# KiCad board Batch 1.kicad_pcb (continued)
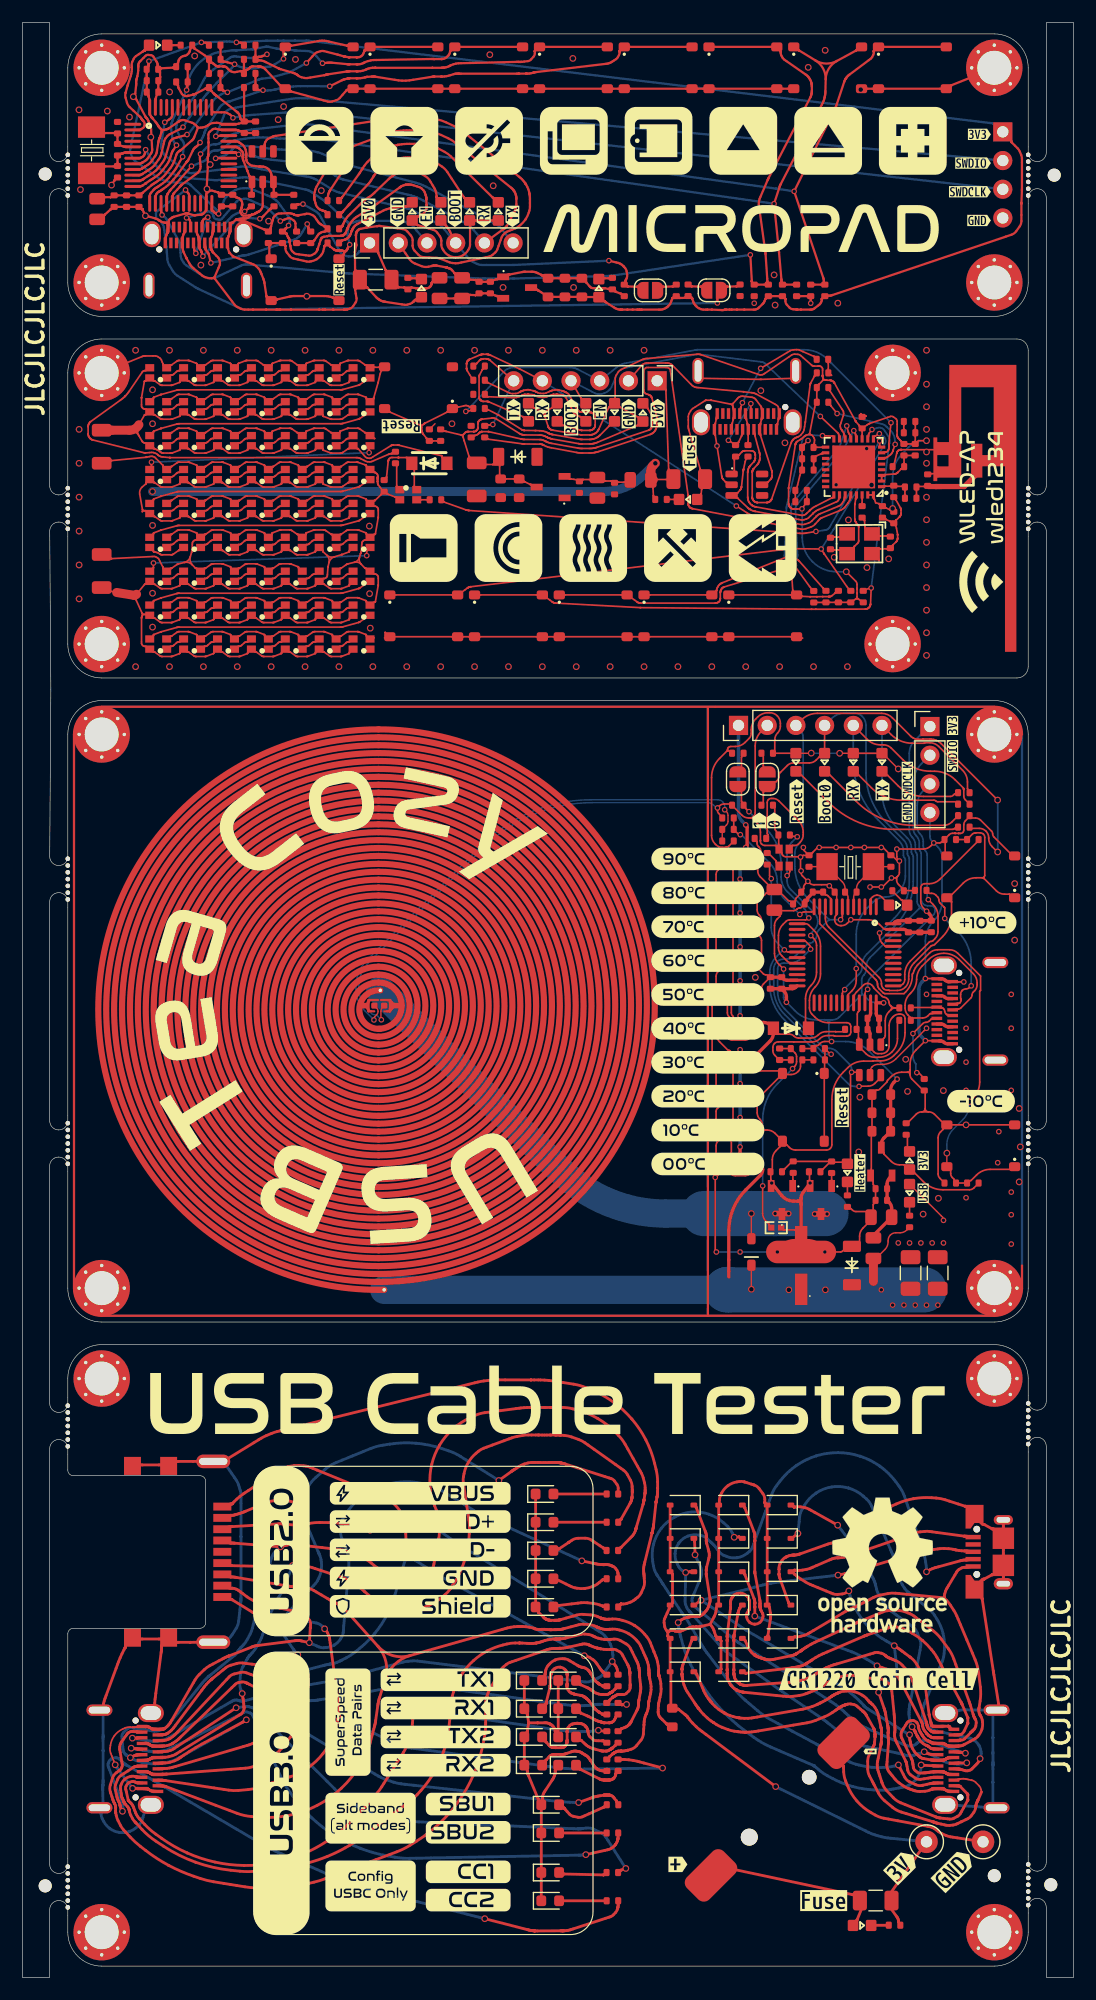
[diagram p0: board, top side]
## Routing (per net, layer and track width the routed paths; a pad name or vN(x,y) marks a point on that pad's centre or on a via; arc(x,y) is an arc through that point) (continued)
+5V: length 437
  Top w0.127: v1(64.5,60.9) D2.1
  Top w0.13: R80.1 78.25,66.15 arc(77.98,65.96) 77.66,65.9 77.28,65.9 arc(77.02,65.85) 76.8,65.7 arc(76.65,65.48) 76.6,65.22 76.6,65.1 arc(76.53,64.73) 76.32,64.42 75.61,63.71 arc(75.52,63.65) 75.41,63.63 arc(75.33,63.59) 75.3,63.51
  Top w0.15: 26.41,123.43 26.55,123.32 arc(26.58,123.31) 26.61,123.3 26.66,123.3 arc(26.66,123.3) 26.67,123.3 26.68,123.29 arc(26.68,123.29) 26.69,123.29 arc(26.69,123.29) 26.7,123.28 27.18,122.94 arc(27.21,122.93) 27.23,122.92 27.28,122.91 arc(27.3,122.9) 27.33,122.9 28.16,122.9 arc(28.18,122.9) 28.19,122.9 28.22,122.91 arc(28.24,122.91) 28.25,122.92 28.87,123.15 28.89,123.16 arc(28.9,123.16) 28.91,123.17 28.92,123.19 arc(28.92,123.2) 28.92,123.21 28.92,123.26 arc(28.93,123.3) 28.95,123.32 RGB43.2 ; 26.41,123.43 arc(26.25,123.48) 26.09,123.43 ; 26.41,123.43 arc(26.35,123.55) 26.41,123.68 ; 11.41,138.43 11.55,138.32 arc(11.58,138.31) 11.61,138.3 11.66,138.3 arc(11.66,138.3) 11.67,138.3 11.68,138.29 arc(11.68,138.29) 11.69,138.29 arc(11.69,138.29) 11.7,138.28 12.18,137.94 arc(12.21,137.93) 12.23,137.92 12.28,137.91 arc(12.3,137.9) 12.33,137.9 13.16,137.9 arc(13.18,137.9) 13.19,137.9 13.22,137.91 arc(13.24,137.91) 13.25,137.92 13.87,138.15 13.89,138.16 arc(13.9,138.16) 13.91,138.17 13.92,138.19 arc(13.92,138.2) 13.92,138.21 13.92,138.26 arc(13.93,138.3) 13.95,138.32 14.09,138.43 arc(14.25,138.48) 14.41,138.43 14.55,138.32 arc(14.58,138.31) 14.61,138.3 14.66,138.3 arc(14.66,138.3) 14.67,138.3 14.68,138.29 arc(14.68,138.29) 14.69,138.29 arc(14.69,138.29) 14.7,138.28 15.18,137.94 arc(15.21,137.93) 15.23,137.92 15.28,137.91 arc(15.3,137.9) 15.33,137.9 16.16,137.9 arc(16.18,137.9) 16.19,137.9 16.22,137.91 arc(16.24,137.91) 16.25,137.92 16.87,138.15 16.89,138.16 arc(16.9,138.16) 16.91,138.17 16.92,138.19 arc(16.92,138.2) 16.92,138.21 16.92,138.26 arc(16.93,138.3) 16.95,138.32 17.09,138.43 arc(17.25,138.48) 17.41,138.43 17.55,138.32 arc(17.58,138.31) 17.61,138.3 17.66,138.3 arc(17.66,138.3) 17.67,138.3 17.68,138.29 arc(17.68,138.29) 17.69,138.29 arc(17.69,138.29) 17.7,138.28 18.18,137.94 arc(18.21,137.93) 18.23,137.92 18.28,137.91 arc(18.3,137.9) 18.33,137.9 19.16,137.9 arc(19.18,137.9) 19.19,137.9 19.22,137.91 arc(19.24,137.91) 19.25,137.92 19.87,138.15 19.89,138.16 arc(19.9,138.16) 19.91,138.17 19.92,138.19 arc(19.92,138.2) 19.92,138.21 19.92,138.26 arc(19.93,138.3) 19.95,138.32 20.09,138.43 arc(20.25,138.48) 20.41,138.43 20.55,138.32 arc(20.58,138.31) 20.61,138.3 20.66,138.3 arc(20.66,138.3) 20.67,138.3 20.68,138.29 arc(20.68,138.29) 20.69,138.29 arc(20.69,138.29) 20.7,138.28 21.18,137.94 arc(21.21,137.93) 21.23,137.92 21.28,137.91 arc(21.3,137.9) 21.33,137.9 22.16,137.9 arc(22.18,137.9) 22.19,137.9 22.22,137.91 arc(22.24,137.91) 22.25,137.92 22.87,138.15 22.89,138.16 arc(22.9,138.16) 22.91,138.17 22.92,138.19 arc(22.92,138.2) 22.92,138.21 22.92,138.26 arc(22.93,138.3) 22.95,138.32 23.09,138.43 arc(23.25,138.48) 23.41,138.43 23.55,138.32 arc(23.58,138.31) 23.61,138.3 23.66,138.3 arc(23.66,138.3) 23.67,138.3 23.68,138.29 arc(23.68,138.29) 23.69,138.29 arc(23.69,138.29) 23.7,138.28 24.18,137.94 arc(24.21,137.93) 24.23,137.92 24.28,137.91 arc(24.3,137.9) 24.33,137.9 25.16,137.9 arc(25.18,137.9) 25.19,137.9 25.22,137.91 arc(25.24,137.91) 25.25,137.92 25.87,138.15 25.89,138.16 arc(25.9,138.16) 25.91,138.17 25.92,138.19 arc(25.92,138.2) 25.92,138.21 25.92,138.26 arc(25.93,138.3) 25.95,138.32 26.09,138.43 arc(26.25,138.48) 26.41,138.43 26.55,138.32 arc(26.57,138.3) 26.57,138.26 26.57,138.21 arc(26.58,138.2) 26.58,138.19 26.59,138.17 arc(26.6,138.16) 26.61,138.16 arc(26.62,138.15) 26.63,138.15 27.25,137.92 arc(27.26,137.91) 27.28,137.91 27.31,137.9 arc(27.32,137.9) 27.34,137.9 28.17,137.9 arc(28.2,137.9) 28.22,137.91 28.27,137.92 arc(28.29,137.93) 28.32,137.94 28.36,137.97 28.8,138.28 arc(28.81,138.29) 28.81,138.29 arc(28.82,138.29) 28.82,138.29 28.83,138.3 arc(28.84,138.3) 28.84,138.3 28.89,138.3 arc(28.92,138.31) 28.95,138.32 RGB42.2 ; 11.41,138.43 11.09,138.68 ; 11.41,138.43 arc(11.25,138.48) 11.09,138.43 ; 10.95,126.78 11.55,126.32 arc(11.57,126.3) 11.57,126.26 11.57,126.21 arc(11.58,126.2) 11.58,126.19 11.6,126.16 arc(11.61,126.16) 11.63,126.15 11.77,126.13 arc(11.83,126.12) 11.88,126.1 12,126.06 arc(12.05,126.03) 12.1,126 12.16,125.96 arc(12.16,125.96) 12.16,125.96 12.18,125.95 arc(12.2,125.93) 12.23,125.92 12.27,125.91 arc(12.3,125.9) 12.32,125.9 13.18,125.9 arc(13.2,125.9) 13.22,125.91 13.27,125.92 arc(13.29,125.93) 13.32,125.94 13.36,125.97 13.8,126.28 arc(13.81,126.29) 13.81,126.29 arc(13.82,126.29) 13.82,126.29 13.83,126.3 arc(13.84,126.3) 13.84,126.3 13.89,126.3 arc(13.92,126.31) 13.95,126.32 RGB4.2 ; 55.67,132.32 55.78,131.94 arc(55.79,131.9) 55.79,131.87 arc(55.79,131.83) 55.79,131.79 55.83,131.12 arc(55.83,131.12) 55.83,131.12 arc(55.83,131.12) 55.83,131.12 arc(55.83,131.12) 55.83,131.11 R42.1 ; 55.67,132.32 arc(55.62,132.53) 55.6,132.75 ; 55.67,132.32 arc(55.69,132.47) 55.82,132.55 56,132.56 arc(56.04,132.56) 56.08,132.57 57.01,132.57 arc(57.05,132.57) 57.09,132.57 57.32,132.58 arc(57.47,132.67) 57.48,132.85 57.18,133.47 arc(57.18,133.47) 57.18,133.47 arc(57.18,133.47) 57.18,133.47 57.18,133.47 arc(57.18,133.47) 57.18,133.48 56.94,140.45 arc(56.94,140.45) 56.94,140.45 56.94,140.49 arc(56.93,140.52) 56.91,140.55 J5.1 ; 11.09,138.43 10.95,138.32 arc(10.92,138.31) 10.89,138.3 10.84,138.3 arc(10.83,138.3) 10.82,138.29 10.8,138.28 arc(10.8,138.28) 10.79,138.27 arc(10.78,138.26) 10.78,138.25 10.29,137.41 arc(10.16,136.93) 10.29,136.44 ; 11.09,138.43 arc(11.15,138.55) 11.09,138.68 ; RGB61.2 28.95,117.32 arc(28.93,117.3) 28.92,117.26 28.92,117.21 arc(28.92,117.2) 28.92,117.19 28.91,117.17 arc(28.9,117.16) 28.89,117.16 28.87,117.15 28.25,116.92 arc(28.24,116.91) 28.22,116.91 28.19,116.9 arc(28.18,116.9) 28.16,116.9 27.33,116.9 arc(27.3,116.9) 27.28,116.91 27.23,116.92 arc(27.21,116.93) 27.18,116.94 26.7,117.28 arc(26.69,117.29) 26.69,117.29 arc(26.68,117.29) 26.68,117.29 26.67,117.3 arc(26.66,117.3) 26.66,117.3 26.61,117.3 arc(26.58,117.31) 26.55,117.32 26.41,117.43 arc(26.25,117.48) 26.09,117.43 25.95,117.32 arc(25.93,117.3) 25.92,117.26 25.92,117.21 arc(25.92,117.2) 25.92,117.19 25.91,117.17 arc(25.9,117.16) 25.89,117.16 25.87,117.15 25.25,116.92 arc(25.24,116.91) 25.22,116.91 25.19,116.9 arc(25.18,116.9) 25.16,116.9 24.33,116.9 arc(24.3,116.9) 24.28,116.91 24.23,116.92 arc(24.21,116.93) 24.18,116.94 23.7,117.28 arc(23.69,117.29) 23.69,117.29 arc(23.68,117.29) 23.68,117.29 23.67,117.3 arc(23.66,117.3) 23.66,117.3 23.61,117.3 arc(23.58,117.31) 23.55,117.32 23.41,117.43 arc(23.25,117.48) 23.09,117.43 22.95,117.32 arc(22.93,117.3) 22.92,117.26 22.92,117.21 arc(22.92,117.2) 22.92,117.19 22.91,117.17 arc(22.9,117.16) 22.89,117.16 22.87,117.15 22.25,116.92 arc(22.24,116.91) 22.22,116.91 22.19,116.9 arc(22.18,116.9) 22.16,116.9 21.33,116.9 arc(21.3,116.9) 21.28,116.91 21.23,116.92 arc(21.21,116.93) 21.18,116.94 20.7,117.28 arc(20.69,117.29) 20.69,117.29 arc(20.68,117.29) 20.68,117.29 20.67,117.3 arc(20.66,117.3) 20.66,117.3 20.61,117.3 arc(20.58,117.31) 20.55,117.32 20.41,117.43 arc(20.25,117.48) 20.09,117.43 19.95,117.32 arc(19.93,117.3) 19.92,117.26 19.92,117.21 arc(19.92,117.2) 19.92,117.19 19.91,117.17 arc(19.9,117.16) 19.89,117.16 19.87,117.15 19.25,116.92 arc(19.24,116.91) 19.22,116.91 19.19,116.9 arc(19.18,116.9) 19.16,116.9 18.33,116.9 arc(18.3,116.9) 18.28,116.91 18.23,116.92 arc(18.21,116.93) 18.18,116.94 17.7,117.28 arc(17.69,117.29) 17.69,117.29 arc(17.68,117.29) 17.68,117.29 17.67,117.3 arc(17.66,117.3) 17.66,117.3 17.61,117.3 arc(17.58,117.31) 17.55,117.32 17.41,117.43 arc(17.25,117.48) 17.09,117.43 16.95,117.32 arc(16.93,117.3) 16.92,117.26 16.92,117.21 arc(16.92,117.2) 16.92,117.19 16.91,117.17 arc(16.9,117.16) 16.89,117.16 16.87,117.15 16.25,116.92 arc(16.24,116.91) 16.22,116.91 16.19,116.9 arc(16.18,116.9) 16.16,116.9 15.33,116.9 arc(15.3,116.9) 15.28,116.91 15.23,116.92 arc(15.21,116.93) 15.18,116.94 14.7,117.28 arc(14.69,117.29) 14.69,117.29 arc(14.68,117.29) 14.68,117.29 14.67,117.3 arc(14.66,117.3) 14.66,117.3 14.61,117.3 arc(14.58,117.31) 14.55,117.32 14.41,117.43 arc(14.25,117.48) 14.09,117.43 13.95,117.32 arc(13.93,117.3) 13.92,117.26 13.92,117.21 arc(13.92,117.2) 13.92,117.19 13.91,117.17 arc(13.9,117.16) 13.89,117.16 13.87,117.15 13.25,116.92 arc(13.24,116.91) 13.22,116.91 13.19,116.9 arc(13.18,116.9) 13.16,116.9 12.33,116.9 arc(12.3,116.9) 12.28,116.91 12.23,116.92 arc(12.21,116.93) 12.18,116.94 11.7,117.28 arc(11.69,117.29) 11.69,117.29 arc(11.68,117.29) 11.68,117.29 11.67,117.3 arc(11.66,117.3) 11.66,117.3 11.61,117.3 arc(11.58,117.31) 11.55,117.32 10.95,117.78 arc(10.92,117.79) 10.89,117.8 10.78,117.8 arc(10.72,117.81) 10.67,117.85 10.57,117.94 arc(10.54,118) 10.52,118.06 10.52,120.31 arc(10.53,120.33) 10.53,120.34 10.53,120.37 arc(10.54,120.39) 10.54,120.4 10.59,120.52 ; 10.74,120.62 10.89,120.62 arc(10.92,120.62) 10.96,120.61 11.09,120.59 arc(11.24,120.53) 11.38,120.45 11.55,120.32 arc(11.58,120.31) 11.61,120.3 11.66,120.3 arc(11.66,120.3) 11.67,120.3 11.68,120.29 arc(11.68,120.29) 11.69,120.29 arc(11.69,120.29) 11.7,120.28 12.18,119.94 arc(12.21,119.93) 12.23,119.92 12.28,119.91 arc(12.3,119.9) 12.33,119.9 13.16,119.9 arc(13.18,119.9) 13.19,119.9 13.22,119.91 arc(13.24,119.91) 13.25,119.92 13.87,120.15 13.89,120.16 arc(13.9,120.16) 13.91,120.17 13.92,120.19 arc(13.92,120.2) 13.92,120.21 13.92,120.26 arc(13.93,120.3) 13.95,120.32 14.09,120.43 arc(14.25,120.48) 14.41,120.43 14.55,120.32 arc(14.58,120.31) 14.61,120.3 14.66,120.3 arc(14.66,120.3) 14.67,120.3 14.68,120.29 arc(14.68,120.29) 14.69,120.29 arc(14.69,120.29) 14.7,120.28 15.18,119.94 arc(15.21,119.93) 15.23,119.92 15.28,119.91 arc(15.3,119.9) 15.33,119.9 16.16,119.9 arc(16.18,119.9) 16.19,119.9 16.22,119.91 arc(16.24,119.91) 16.25,119.92 16.87,120.15 16.89,120.16 arc(16.9,120.16) 16.91,120.17 16.92,120.19 arc(16.92,120.2) 16.92,120.21 16.92,120.26 arc(16.93,120.3) 16.95,120.32 17.09,120.43 arc(17.25,120.48) 17.41,120.43 17.55,120.32 arc(17.58,120.31) 17.61,120.3 17.66,120.3 arc(17.66,120.3) 17.67,120.3 17.68,120.29 arc(17.68,120.29) 17.69,120.29 arc(17.69,120.29) 17.7,120.28 18.18,119.94 arc(18.21,119.93) 18.23,119.92 18.28,119.91 arc(18.3,119.9) 18.33,119.9 19.16,119.9 arc(19.18,119.9) 19.19,119.9 19.22,119.91 arc(19.24,119.91) 19.25,119.92 19.87,120.15 19.89,120.16 arc(19.9,120.16) 19.91,120.17 19.92,120.19 arc(19.92,120.2) 19.92,120.21 19.92,120.26 arc(19.93,120.3) 19.95,120.32 20.09,120.43 arc(20.25,120.48) 20.41,120.43 20.55,120.32 arc(20.58,120.31) 20.61,120.3 20.66,120.3 arc(20.66,120.3) 20.67,120.3 20.68,120.29 arc(20.68,120.29) 20.69,120.29 arc(20.69,120.29) 20.7,120.28 21.18,119.94 arc(21.21,119.93) 21.23,119.92 21.28,119.91 arc(21.3,119.9) 21.33,119.9 22.16,119.9 arc(22.18,119.9) 22.19,119.9 22.22,119.91 arc(22.24,119.91) 22.25,119.92 22.87,120.15 22.89,120.16 arc(22.9,120.16) 22.91,120.17 22.92,120.19 arc(22.92,120.2) 22.92,120.21 22.92,120.26 arc(22.93,120.3) 22.95,120.32 23.09,120.43 arc(23.25,120.48) 23.41,120.43 23.55,120.32 arc(23.58,120.31) 23.61,120.3 23.66,120.3 arc(23.66,120.3) 23.67,120.3 23.68,120.29 arc(23.68,120.29) 23.69,120.29 arc(23.69,120.29) 23.7,120.28 24.18,119.94 arc(24.21,119.93) 24.23,119.92 24.28,119.91 arc(24.3,119.9) 24.33,119.9 25.16,119.9 arc(25.18,119.9) 25.19,119.9 25.22,119.91 arc(25.24,119.91) 25.25,119.92 25.87,120.15 25.89,120.16 arc(25.9,120.16) 25.91,120.17 25.92,120.19 arc(25.92,120.2) 25.92,120.21 25.92,120.26 arc(25.93,120.3) 25.95,120.32 26.09,120.43 arc(26.25,120.48) 26.41,120.43 26.55,120.32 arc(26.58,120.31) 26.61,120.3 26.66,120.3 arc(26.66,120.3) 26.67,120.3 26.68,120.29 arc(26.68,120.29) 26.69,120.29 arc(26.69,120.29) 26.7,120.28 27.18,119.94 arc(27.21,119.93) 27.23,119.92 27.28,119.91 arc(27.3,119.9) 27.33,119.9 28.16,119.9 arc(28.18,119.9) 28.19,119.9 28.22,119.91 arc(28.24,119.91) 28.25,119.92 28.87,120.15 28.89,120.16 arc(28.9,120.16) 28.91,120.17 28.92,120.19 arc(28.92,120.2) 28.92,120.21 28.92,120.26 arc(28.93,120.3) 28.95,120.32 RGB62.2 ; 10.74,120.62 arc(10.64,120.65) 10.58,120.72 ; 10.74,120.62 arc(10.64,120.59) 10.59,120.52 ; RGB50.2 28.95,126.32 arc(28.93,126.3) 28.92,126.26 28.92,126.21 arc(28.92,126.2) 28.92,126.19 28.91,126.17 arc(28.9,126.16) 28.89,126.16 28.87,126.15 28.27,125.92 arc(28.27,125.92) 28.26,125.92 arc(28.26,125.92) 28.26,125.92 28.25,125.92 arc(28.25,125.92) 28.25,125.91 arc(28.24,125.91) 28.24,125.91 27.58,125.71 ; 26.09,123.43 26.41,123.68 ; 26.09,123.43 25.95,123.32 arc(25.93,123.3) 25.92,123.26 25.92,123.21 arc(25.92,123.2) 25.92,123.19 25.91,123.17 arc(25.9,123.16) 25.89,123.16 25.87,123.15 25.25,122.92 arc(25.24,122.91) 25.22,122.91 25.19,122.9 arc(25.18,122.9) 25.16,122.9 24.33,122.9 arc(24.3,122.9) 24.28,122.91 24.23,122.92 arc(24.21,122.93) 24.18,122.94 23.7,123.28 arc(23.69,123.29) 23.69,123.29 arc(23.68,123.29) 23.68,123.29 23.67,123.3 arc(23.66,123.3) 23.66,123.3 23.61,123.3 arc(23.58,123.31) 23.55,123.32 23.41,123.43 arc(23.25,123.48) 23.09,123.43 22.95,123.32 arc(22.93,123.3) 22.92,123.26 22.92,123.21 arc(22.92,123.2) 22.92,123.19 22.91,123.17 arc(22.9,123.16) 22.89,123.16 22.87,123.15 22.25,122.92 arc(22.24,122.91) 22.22,122.91 22.19,122.9 arc(22.18,122.9) 22.16,122.9 21.33,122.9 arc(21.3,122.9) 21.28,122.91 21.23,122.92 arc(21.21,122.93) 21.18,122.94 20.7,123.28 arc(20.69,123.29) 20.69,123.29 arc(20.68,123.29) 20.68,123.29 20.67,123.3 arc(20.66,123.3) 20.66,123.3 20.61,123.3 arc(20.58,123.31) 20.55,123.32 20.41,123.43 arc(20.25,123.48) 20.09,123.43 19.95,123.32 arc(19.93,123.3) 19.92,123.26 19.92,123.21 arc(19.92,123.2) 19.92,123.19 19.91,123.17 arc(19.9,123.16) 19.89,123.16 19.87,123.15 19.25,122.92 arc(19.24,122.91) 19.22,122.91 19.19,122.9 arc(19.18,122.9) 19.16,122.9 18.33,122.9 arc(18.3,122.9) 18.28,122.91 18.23,122.92 arc(18.21,122.93) 18.18,122.94 17.7,123.28 arc(17.69,123.29) 17.69,123.29 arc(17.68,123.29) 17.68,123.29 17.67,123.3 arc(17.66,123.3) 17.66,123.3 17.61,123.3 arc(17.58,123.31) 17.55,123.32 17.41,123.43 arc(17.25,123.48) 17.09,123.43 16.95,123.32 arc(16.93,123.3) 16.92,123.26 16.92,123.21 arc(16.92,123.2) 16.92,123.19 16.91,123.17 arc(16.9,123.16) 16.89,123.16 16.87,123.15 16.25,122.92 arc(16.24,122.91) 16.22,122.91 16.19,122.9 arc(16.18,122.9) 16.16,122.9 15.33,122.9 arc(15.3,122.9) 15.28,122.91 15.23,122.92 arc(15.21,122.93) 15.18,122.94 14.7,123.28 arc(14.69,123.29) 14.69,123.29 arc(14.68,123.29) 14.68,123.29 14.67,123.3 arc(14.66,123.3) 14.66,123.3 14.61,123.3 arc(14.58,123.31) 14.55,123.32 14.41,123.43 arc(14.25,123.48) 14.09,123.43 13.95,123.32 arc(13.93,123.3) 13.92,123.26 13.92,123.21 arc(13.92,123.2) 13.92,123.19 13.91,123.17 arc(13.9,123.16) 13.89,123.16 13.87,123.15 13.25,122.92 arc(13.24,122.91) 13.22,122.91 13.19,122.9 arc(13.18,122.9) 13.16,122.9 12.33,122.9 arc(12.3,122.9) 12.28,122.91 12.23,122.92 arc(12.21,122.93) 12.18,122.94 11.7,123.28 arc(11.69,123.29) 11.69,123.29 arc(11.68,123.29) 11.68,123.29 11.67,123.3 arc(11.66,123.3) 11.66,123.3 11.61,123.3 arc(11.58,123.31) 11.55,123.32 11.41,123.43 arc(11.25,123.48) 11.09,123.43 10.95,123.32 arc(10.92,123.31) 10.89,123.3 10.84,123.3 arc(10.83,123.3) 10.83,123.3 10.81,123.29 arc(10.8,123.28) 10.8,123.28 arc(10.79,123.27) 10.79,123.27 10.09,122.41 arc(10.02,122.29) 10,122.15 ; 26.41,123.68 26.55,123.78 arc(26.58,123.79) 26.61,123.8 26.71,123.8 arc(26.77,123.81) 26.82,123.84 26.92,123.93 arc(26.95,123.98) 26.97,124.04 27.03,124.79 arc(27.03,124.8) 27.03,124.81 arc(27.03,124.81) 27.03,124.82 27.03,124.83 arc(27.03,124.84) 27.03,124.84 arc(27.03,124.85) 27.03,124.85 27.12,125.22 ; RGB37.2 28.95,132.32 arc(28.92,132.31) 28.89,132.3 28.84,132.3 arc(28.84,132.3) 28.83,132.3 28.82,132.29 arc(28.82,132.29) 28.81,132.29 arc(28.81,132.29) 28.8,132.28 28.36,131.97 28.32,131.94 arc(28.29,131.93) 28.27,131.92 28.22,131.91 arc(28.2,131.9) 28.17,131.9 27.34,131.9 arc(27.32,131.9) 27.31,131.9 27.28,131.91 arc(27.26,131.91) 27.25,131.92 26.63,132.15 arc(26.62,132.15) 26.61,132.16 arc(26.6,132.16) 26.59,132.17 26.58,132.19 arc(26.58,132.2) 26.57,132.21 26.57,132.26 arc(26.57,132.3) 26.55,132.32 26.41,132.43 arc(26.25,132.48) 26.09,132.43 25.95,132.32 arc(25.93,132.3) 25.92,132.26 25.92,132.21 arc(25.92,132.2) 25.92,132.19 25.91,132.17 arc(25.9,132.16) 25.89,132.16 25.87,132.15 25.25,131.92 arc(25.24,131.91) 25.22,131.91 25.19,131.9 arc(25.18,131.9) 25.16,131.9 24.33,131.9 arc(24.3,131.9) 24.28,131.91 24.23,131.92 arc(24.21,131.93) 24.18,131.94 23.7,132.28 arc(23.69,132.29) 23.69,132.29 arc(23.68,132.29) 23.68,132.29 23.67,132.3 arc(23.66,132.3) 23.66,132.3 23.61,132.3 arc(23.58,132.31) 23.55,132.32 23.41,132.43 arc(23.25,132.48) 23.09,132.43 22.95,132.32 arc(22.93,132.3) 22.92,132.26 22.92,132.21 arc(22.92,132.2) 22.92,132.19 22.91,132.17 arc(22.9,132.16) 22.89,132.16 22.87,132.15 22.25,131.92 arc(22.24,131.91) 22.22,131.91 22.19,131.9 arc(22.18,131.9) 22.16,131.9 21.33,131.9 arc(21.3,131.9) 21.28,131.91 21.23,131.92 arc(21.21,131.93) 21.18,131.94 20.7,132.28 arc(20.69,132.29) 20.69,132.29 arc(20.68,132.29) 20.68,132.29 20.67,132.3 arc(20.66,132.3) 20.66,132.3 20.61,132.3 arc(20.58,132.31) 20.55,132.32 20.41,132.43 arc(20.25,132.48) 20.09,132.43 19.95,132.32 arc(19.93,132.3) 19.92,132.26 19.92,132.21 arc(19.92,132.2) 19.92,132.19 19.91,132.17 arc(19.9,132.16) 19.89,132.16 19.87,132.15 19.25,131.92 arc(19.24,131.91) 19.22,131.91 19.19,131.9 arc(19.18,131.9) 19.16,131.9 18.33,131.9 arc(18.3,131.9) 18.28,131.91 18.23,131.92 arc(18.21,131.93) 18.18,131.94 17.7,132.28 arc(17.69,132.29) 17.69,132.29 arc(17.68,132.29) 17.68,132.29 17.67,132.3 arc(17.66,132.3) 17.66,132.3 17.61,132.3 arc(17.58,132.31) 17.55,132.32 17.41,132.43 arc(17.25,132.48) 17.09,132.43 16.95,132.32 arc(16.93,132.3) 16.92,132.26 16.92,132.21 arc(16.92,132.2) 16.92,132.19 16.91,132.17 arc(16.9,132.16) 16.89,132.16 16.87,132.15 16.25,131.92 arc(16.24,131.91) 16.22,131.91 16.19,131.9 arc(16.18,131.9) 16.16,131.9 15.33,131.9 arc(15.3,131.9) 15.28,131.91 15.23,131.92 arc(15.21,131.93) 15.18,131.94 14.7,132.28 arc(14.69,132.29) 14.69,132.29 arc(14.68,132.29) 14.68,132.29 14.67,132.3 arc(14.66,132.3) 14.66,132.3 14.61,132.3 arc(14.58,132.31) 14.55,132.32 14.41,132.43 arc(14.25,132.48) 14.09,132.43 13.95,132.32 arc(13.93,132.3) 13.92,132.26 13.92,132.21 arc(13.92,132.2) 13.92,132.19 13.91,132.17 arc(13.9,132.16) 13.89,132.16 13.87,132.15 13.25,131.92 arc(13.24,131.91) 13.22,131.91 13.19,131.9 arc(13.18,131.9) 13.16,131.9 12.33,131.9 arc(12.3,131.9) 12.28,131.91 12.23,131.92 arc(12.21,131.93) 12.18,131.94 11.7,132.28 arc(11.69,132.29) 11.69,132.29 arc(11.68,132.29) 11.68,132.29 11.67,132.3 arc(11.66,132.3) 11.66,132.3 11.61,132.3 arc(11.58,132.31) 11.55,132.32 11.41,132.43 arc(11.25,132.48) 11.09,132.43 10.95,132.32 arc(10.93,132.3) 10.92,132.26 10.92,132.23 arc(10.92,132.23) 10.92,132.22 arc(10.92,132.21) 10.92,132.2 10.91,132.19 arc(10.91,132.18) 10.9,132.17 10.6,131.91 arc(10.39,131.62) 10.36,131.27 10.61,129.91 ; 11.09,138.68 10.95,138.78 arc(10.92,138.79) 10.89,138.8 10.78,138.8 arc(10.72,138.81) 10.67,138.85 10.57,138.94 arc(10.54,139) 10.52,139.06 10.52,139.78 arc(10.53,139.79) 10.53,139.8 10.53,139.81 arc(10.53,139.82) 10.53,139.82 arc(10.53,139.83) 10.53,139.84 10.78,141.25 arc(10.78,141.26) 10.79,141.27 10.81,141.29 arc(10.82,141.3) 10.84,141.3 10.89,141.3 arc(10.92,141.31) 10.95,141.32 11.09,141.43 arc(11.25,141.48) 11.41,141.43 11.55,141.32 arc(11.58,141.31) 11.61,141.3 11.66,141.3 arc(11.66,141.3) 11.67,141.3 11.68,141.29 arc(11.68,141.29) 11.69,141.29 arc(11.69,141.29) 11.7,141.28 12.18,140.94 arc(12.21,140.93) 12.23,140.92 12.28,140.91 arc(12.3,140.9) 12.33,140.9 13.16,140.9 arc(13.18,140.9) 13.19,140.9 13.22,140.91 arc(13.24,140.91) 13.25,140.92 13.87,141.15 13.89,141.16 arc(13.9,141.16) 13.91,141.17 13.92,141.19 arc(13.92,141.2) 13.92,141.21 13.92,141.26 arc(13.93,141.3) 13.95,141.32 14.09,141.43 arc(14.25,141.48) 14.41,141.43 14.55,141.32 arc(14.58,141.31) 14.61,141.3 14.66,141.3 arc(14.66,141.3) 14.67,141.3 14.68,141.29 arc(14.68,141.29) 14.69,141.29 arc(14.69,141.29) 14.7,141.28 15.18,140.94 arc(15.21,140.93) 15.23,140.92 15.28,140.91 arc(15.3,140.9) 15.33,140.9 16.16,140.9 arc(16.18,140.9) 16.19,140.9 16.22,140.91 arc(16.24,140.91) 16.25,140.92 16.87,141.15 16.89,141.16 arc(16.9,141.16) 16.91,141.17 16.92,141.19 arc(16.92,141.2) 16.92,141.21 16.92,141.26 arc(16.93,141.3) 16.95,141.32 17.09,141.43 arc(17.25,141.48) 17.41,141.43 17.55,141.32 arc(17.58,141.31) 17.61,141.3 17.66,141.3 arc(17.66,141.3) 17.67,141.3 17.68,141.29 arc(17.68,141.29) 17.69,141.29 arc(17.69,141.29) 17.7,141.28 18.18,140.94 arc(18.21,140.93) 18.23,140.92 18.28,140.91 arc(18.3,140.9) 18.33,140.9 19.16,140.9 arc(19.18,140.9) 19.19,140.9 19.22,140.91 arc(19.24,140.91) 19.25,140.92 19.87,141.15 19.89,141.16 arc(19.9,141.16) 19.91,141.17 19.92,141.19 arc(19.92,141.2) 19.92,141.21 19.92,141.26 arc(19.93,141.3) 19.95,141.32 20.09,141.43 arc(20.25,141.48) 20.41,141.43 20.55,141.32 arc(20.58,141.31) 20.61,141.3 20.66,141.3 arc(20.66,141.3) 20.67,141.3 20.68,141.29 arc(20.68,141.29) 20.69,141.29 arc(20.69,141.29) 20.7,141.28 21.18,140.94 arc(21.21,140.93) 21.23,140.92 21.28,140.91 arc(21.3,140.9) 21.33,140.9 22.16,140.9 arc(22.18,140.9) 22.19,140.9 22.22,140.91 arc(22.24,140.91) 22.25,140.92 22.87,141.15 22.89,141.16 arc(22.9,141.16) 22.91,141.17 22.92,141.19 arc(22.92,141.2) 22.92,141.21 22.92,141.26 arc(22.93,141.3) 22.95,141.32 23.09,141.43 arc(23.25,141.48) 23.41,141.43 23.55,141.32 arc(23.58,141.31) 23.61,141.3 23.66,141.3 arc(23.66,141.3) 23.67,141.3 23.68,141.29 arc(23.68,141.29) 23.69,141.29 arc(23.69,141.29) 23.7,141.28 24.18,140.94 arc(24.21,140.93) 24.23,140.92 24.28,140.91 arc(24.3,140.9) 24.33,140.9 25.16,140.9 arc(25.18,140.9) 25.19,140.9 25.22,140.91 arc(25.24,140.91) 25.25,140.92 25.87,141.15 25.89,141.16 arc(25.9,141.16) 25.91,141.17 25.92,141.19 arc(25.92,141.2) 25.92,141.21 25.92,141.26 arc(25.93,141.3) 25.95,141.32 26.09,141.43 arc(26.25,141.48) 26.41,141.43 26.55,141.32 arc(26.58,141.31) 26.61,141.3 26.66,141.3 arc(26.66,141.3) 26.67,141.3 26.68,141.29 arc(26.68,141.29) 26.69,141.29 arc(26.69,141.29) 26.7,141.28 27.18,140.94 arc(27.21,140.93) 27.23,140.92 27.28,140.91 arc(27.3,140.9) 27.33,140.9 28.16,140.9 arc(28.18,140.9) 28.19,140.9 28.22,140.91 arc(28.24,140.91) 28.25,140.92 28.87,141.15 28.89,141.16 arc(28.9,141.16) 28.91,141.17 28.92,141.19 arc(28.92,141.2) 28.92,141.21 28.92,141.26 arc(28.93,141.3) 28.95,141.32 RGB47.2 ; 27.12,125.22 arc(27.11,125.57) 26.93,125.86 ; 27.12,125.22 arc(27.28,125.53) 27.58,125.71 ; 37.97,133.48 37.15,134.5 arc(37.13,134.53) 37.12,134.56 37.12,134.61 arc(37.12,134.63) 37.12,134.64 37.1,134.66 arc(37.09,134.67) 37.08,134.67 arc(37.07,134.67) 37.05,134.68 35.61,135.01 arc(35.6,135.01) 35.59,135.02 arc(35.58,135.02) 35.58,135.02 33.33,135.59 arc(33.32,135.6) 33.31,135.6 arc(33.3,135.6) 33.29,135.6 33.28,135.6 arc(33.27,135.6) 33.27,135.6 33.26,135.61 arc(33.25,135.61) 33.24,135.61 arc(33.23,135.61) 33.22,135.61 33.21,135.61 arc(33.2,135.62) 33.19,135.62 32.81,135.62 arc(32.8,135.62) 32.79,135.61 32.78,135.61 arc(32.77,135.61) 32.76,135.61 arc(32.75,135.61) 32.74,135.61 32.73,135.6 arc(32.73,135.6) 32.73,135.6 arc(32.72,135.6) 32.72,135.6 32.68,135.6 arc(32.67,135.59) 32.66,135.59 32.63,135.58 arc(32.62,135.57) 32.6,135.56 32.58,135.55 31,134.57 30.85,134.47 arc(30.77,134.44) 30.69,134.44 30.51,134.47 arc(30.43,134.49) 30.36,134.55 29.71,135.27 arc(29.71,135.27) 29.7,135.28 arc(29.69,135.29) 29.69,135.29 29.67,135.3 arc(29.67,135.3) 29.66,135.3 29.61,135.3 arc(29.58,135.31) 29.55,135.32 29.41,135.43 arc(29.25,135.48) 29.09,135.43 28.95,135.32 arc(28.92,135.31) 28.89,135.3 28.84,135.3 arc(28.84,135.3) 28.83,135.3 28.82,135.29 arc(28.82,135.29) 28.81,135.29 arc(28.81,135.29) 28.8,135.28 28.36,134.97 28.32,134.94 arc(28.29,134.93) 28.27,134.92 28.22,134.91 arc(28.2,134.9) 28.17,134.9 27.34,134.9 arc(27.32,134.9) 27.31,134.9 27.28,134.91 arc(27.26,134.91) 27.25,134.92 26.63,135.15 arc(26.62,135.15) 26.61,135.16 arc(26.6,135.16) 26.59,135.17 26.58,135.19 arc(26.58,135.2) 26.57,135.21 26.57,135.26 arc(26.57,135.3) 26.55,135.32 26.41,135.43 arc(26.25,135.48) 26.09,135.43 25.95,135.32 arc(25.93,135.3) 25.92,135.26 25.92,135.21 arc(25.92,135.2) 25.92,135.19 25.91,135.17 arc(25.9,135.16) 25.89,135.16 25.87,135.15 25.25,134.92 arc(25.24,134.91) 25.22,134.91 25.19,134.9 arc(25.18,134.9) 25.16,134.9 24.33,134.9 arc(24.3,134.9) 24.28,134.91 24.23,134.92 arc(24.21,134.93) 24.18,134.94 23.7,135.28 arc(23.69,135.29) 23.69,135.29 arc(23.68,135.29) 23.68,135.29 23.67,135.3 arc(23.66,135.3) 23.66,135.3 23.61,135.3 arc(23.58,135.31) 23.55,135.32 23.41,135.43 arc(23.25,135.48) 23.09,135.43 22.95,135.32 arc(22.93,135.3) 22.92,135.26 22.92,135.21 arc(22.92,135.2) 22.92,135.19 22.91,135.17 arc(22.9,135.16) 22.89,135.16 22.87,135.15 22.25,134.92 arc(22.24,134.91) 22.22,134.91 22.19,134.9 arc(22.18,134.9) 22.16,134.9 21.33,134.9 arc(21.3,134.9) 21.28,134.91 21.23,134.92 arc(21.21,134.93) 21.18,134.94 20.7,135.28 arc(20.69,135.29) 20.69,135.29 arc(20.68,135.29) 20.68,135.29 20.67,135.3 arc(20.66,135.3) 20.66,135.3 20.61,135.3 arc(20.58,135.31) 20.55,135.32 20.41,135.43 arc(20.25,135.48) 20.09,135.43 19.95,135.32 arc(19.93,135.3) 19.92,135.26 19.92,135.21 arc(19.92,135.2) 19.92,135.19 19.91,135.17 arc(19.9,135.16) 19.89,135.16 19.87,135.15 19.25,134.92 arc(19.24,134.91) 19.22,134.91 19.19,134.9 arc(19.18,134.9) 19.16,134.9 18.33,134.9 arc(18.3,134.9) 18.28,134.91 18.23,134.92 arc(18.21,134.93) 18.18,134.94 17.7,135.28 arc(17.69,135.29) 17.69,135.29 arc(17.68,135.29) 17.68,135.29 17.67,135.3 arc(17.66,135.3) 17.66,135.3 17.61,135.3 arc(17.58,135.31) 17.55,135.32 17.41,135.43 arc(17.25,135.48) 17.09,135.43 16.95,135.32 arc(16.93,135.3) 16.92,135.26 16.92,135.21 arc(16.92,135.2) 16.92,135.19 16.91,135.17 arc(16.9,135.16) 16.89,135.16 16.87,135.15 16.25,134.92 arc(16.24,134.91) 16.22,134.91 16.19,134.9 arc(16.18,134.9) 16.16,134.9 15.33,134.9 arc(15.3,134.9) 15.28,134.91 15.23,134.92 arc(15.21,134.93) 15.18,134.94 14.7,135.28 arc(14.69,135.29) 14.69,135.29 arc(14.68,135.29) 14.68,135.29 14.67,135.3 arc(14.66,135.3) 14.66,135.3 14.61,135.3 arc(14.58,135.31) 14.55,135.32 14.41,135.43 arc(14.25,135.48) 14.09,135.43 13.95,135.32 arc(13.93,135.3) 13.92,135.26 13.92,135.21 arc(13.92,135.2) 13.92,135.19 13.91,135.17 arc(13.9,135.16) 13.89,135.16 13.87,135.15 13.25,134.92 arc(13.24,134.91) 13.22,134.91 13.19,134.9 arc(13.18,134.9) 13.16,134.9 13.07,134.9 arc(13.07,134.9) 13.07,134.9 12.39,134.91 arc(12.36,134.91) 12.34,134.92 12.28,134.94 arc(12.26,134.95) 12.24,134.97 12.17,135.03 arc(12.13,135.06) 12.1,135.08 12.02,135.13 arc(11.98,135.15) 11.94,135.17 11.86,135.21 11.68,135.29 arc(11.67,135.3) 11.67,135.3 11.66,135.3 arc(11.66,135.3) 11.65,135.3 11.61,135.3 arc(11.58,135.31) 11.55,135.32 10.95,135.78 arc(10.92,135.79) 10.89,135.8 10.81,135.8 arc(10.76,135.81) 10.73,135.82 10.65,135.87 arc(10.62,135.89) 10.59,135.92 10.55,136 10.29,136.44 ; C29.1 7.76,136.93 7.84,136.93 ; 10.59,120.52 arc(10.6,120.62) 10.58,120.72 ; 27.58,125.71 arc(27.23,125.7) 26.93,125.86 ; 26.93,125.86 26.6,126.16 arc(26.6,126.17) 26.59,126.18 arc(26.59,126.18) 26.58,126.19 26.58,126.2 arc(26.58,126.21) 26.57,126.22 26.57,126.26 arc(26.57,126.3) 26.55,126.32 26.41,126.43 arc(26.25,126.48) 26.09,126.43 25.95,126.32 arc(25.93,126.3) 25.92,126.26 25.92,126.21 arc(25.92,126.2) 25.92,126.19 25.91,126.17 arc(25.9,126.16) 25.89,126.16 25.87,126.15 25.25,125.92 arc(25.24,125.91) 25.22,125.91 25.19,125.9 arc(25.18,125.9) 25.16,125.9 24.33,125.9 arc(24.3,125.9) 24.28,125.91 24.23,125.92 arc(24.21,125.93) 24.18,125.94 23.7,126.28 arc(23.69,126.29) 23.69,126.29 arc(23.68,126.29) 23.68,126.29 23.67,126.3 arc(23.66,126.3) 23.66,126.3 23.61,126.3 arc(23.58,126.31) 23.55,126.32 23.41,126.43 arc(23.25,126.48) 23.09,126.43 22.95,126.32 arc(22.93,126.3) 22.92,126.26 22.92,126.21 arc(22.92,126.2) 22.92,126.19 22.91,126.17 arc(22.9,126.16) 22.89,126.16 22.87,126.15 22.25,125.92 arc(22.24,125.91) 22.22,125.91 22.19,125.9 arc(22.18,125.9) 22.16,125.9 21.33,125.9 arc(21.3,125.9) 21.28,125.91 21.23,125.92 arc(21.21,125.93) 21.18,125.94 20.7,126.28 arc(20.69,126.29) 20.69,126.29 arc(20.68,126.29) 20.68,126.29 20.67,126.3 arc(20.66,126.3) 20.66,126.3 20.61,126.3 arc(20.58,126.31) 20.55,126.32 20.41,126.43 arc(20.25,126.48) 20.09,126.43 19.95,126.32 arc(19.93,126.3) 19.92,126.26 19.92,126.21 arc(19.92,126.2) 19.92,126.19 19.91,126.17 arc(19.9,126.16) 19.89,126.16 19.87,126.15 19.25,125.92 arc(19.24,125.91) 19.22,125.91 19.19,125.9 arc(19.18,125.9) 19.16,125.9 18.33,125.9 arc(18.3,125.9) 18.28,125.91 18.23,125.92 arc(18.21,125.93) 18.18,125.94 17.7,126.28 arc(17.69,126.29) 17.69,126.29 arc(17.68,126.29) 17.68,126.29 17.67,126.3 arc(17.66,126.3) 17.66,126.3 17.61,126.3 arc(17.58,126.31) 17.55,126.32 RGB33.2 ; 72.52,83.69 71.98,83.69 arc(71.97,83.69) 71.96,83.7 arc(71.96,83.7) 71.95,83.7 71.11,83.7 arc(70.74,83.63) 70.43,83.42 arc(70.11,83.21) 69.74,83.13 68.68,83.13 arc(68.46,83.18) 68.27,83.3 arc(68.08,83.43) 67.85,83.48 66.91,83.48 arc(66.88,83.48) 66.85,83.5 66.66,83.74 arc(66.53,83.77) 66.45,83.66 ; 10.73,129.81 10.82,129.8 arc(10.83,129.8) 10.84,129.8 arc(10.85,129.8) 10.86,129.8 10.89,129.8 arc(10.92,129.79) 10.95,129.78 11.55,129.32 arc(11.58,129.31) 11.61,129.3 11.66,129.3 arc(11.66,129.3) 11.67,129.3 11.68,129.29 arc(11.68,129.29) 11.69,129.29 arc(11.69,129.29) 11.7,129.28 12.18,128.94 arc(12.21,128.93) 12.23,128.92 12.28,128.91 arc(12.3,128.9) 12.33,128.9 13.16,128.9 arc(13.18,128.9) 13.19,128.9 13.22,128.91 arc(13.24,128.91) 13.25,128.92 13.87,129.15 13.89,129.16 arc(13.9,129.16) 13.91,129.17 13.92,129.19 arc(13.92,129.2) 13.92,129.21 13.92,129.26 arc(13.93,129.3) 13.95,129.32 14.09,129.43 arc(14.25,129.48) 14.41,129.43 14.55,129.32 arc(14.58,129.31) 14.61,129.3 14.66,129.3 arc(14.66,129.3) 14.67,129.3 14.68,129.29 arc(14.68,129.29) 14.69,129.29 arc(14.69,129.29) 14.7,129.28 15.18,128.94 arc(15.21,128.93) 15.23,128.92 15.28,128.91 arc(15.3,128.9) 15.33,128.9 16.16,128.9 arc(16.18,128.9) 16.19,128.9 16.22,128.91 arc(16.24,128.91) 16.25,128.92 16.87,129.15 16.89,129.16 arc(16.9,129.16) 16.91,129.17 16.92,129.19 arc(16.92,129.2) 16.92,129.21 16.92,129.26 arc(16.93,129.3) 16.95,129.32 17.09,129.43 arc(17.25,129.48) 17.41,129.43 17.55,129.32 arc(17.58,129.31) 17.61,129.3 17.66,129.3 arc(17.66,129.3) 17.67,129.3 17.68,129.29 arc(17.68,129.29) 17.69,129.29 arc(17.69,129.29) 17.7,129.28 18.18,128.94 arc(18.21,128.93) 18.23,128.92 18.28,128.91 arc(18.3,128.9) 18.33,128.9 19.16,128.9 arc(19.18,128.9) 19.19,128.9 19.22,128.91 arc(19.24,128.91) 19.25,128.92 19.87,129.15 19.89,129.16 arc(19.9,129.16) 19.91,129.17 19.92,129.19 arc(19.92,129.2) 19.92,129.21 19.92,129.26 arc(19.93,129.3) 19.95,129.32 20.09,129.43 arc(20.25,129.48) 20.41,129.43 20.55,129.32 arc(20.58,129.31) 20.61,129.3 20.66,129.3 arc(20.66,129.3) 20.67,129.3 20.68,129.29 arc(20.68,129.29) 20.69,129.29 arc(20.69,129.29) 20.7,129.28 21.18,128.94 arc(21.21,128.93) 21.23,128.92 21.28,128.91 arc(21.3,128.9) 21.33,128.9 22.16,128.9 arc(22.18,128.9) 22.19,128.9 22.22,128.91 arc(22.24,128.91) 22.25,128.92 22.87,129.15 22.89,129.16 arc(22.9,129.16) 22.91,129.17 22.92,129.19 arc(22.92,129.2) 22.92,129.21 22.92,129.26 arc(22.93,129.3) 22.95,129.32 23.09,129.43 arc(23.25,129.48) 23.41,129.43 23.55,129.32 arc(23.58,129.31) 23.61,129.3 23.66,129.3 arc(23.66,129.3) 23.67,129.3 23.68,129.29 arc(23.68,129.29) 23.69,129.29 arc(23.69,129.29) 23.7,129.28 24.18,128.94 arc(24.21,128.93) 24.23,128.92 24.28,128.91 arc(24.3,128.9) 24.33,128.9 25.16,128.9 arc(25.18,128.9) 25.19,128.9 25.22,128.91 arc(25.24,128.91) 25.25,128.92 25.87,129.15 25.89,129.16 arc(25.9,129.16) 25.91,129.17 25.92,129.19 arc(25.92,129.2) 25.92,129.21 25.92,129.26 arc(25.93,129.3) 25.95,129.32 26.09,129.43 arc(26.25,129.48) 26.41,129.43 26.55,129.32 arc(26.58,129.31) 26.61,129.3 26.66,129.3 arc(26.66,129.3) 26.67,129.3 26.68,129.29 arc(26.68,129.29) 26.69,129.29 arc(26.69,129.29) 26.7,129.28 27.18,128.94 arc(27.21,128.93) 27.23,128.92 27.28,128.91 arc(27.3,128.9) 27.33,128.9 28.16,128.9 arc(28.18,128.9) 28.19,128.9 28.22,128.91 arc(28.24,128.91) 28.25,128.92 28.87,129.15 28.89,129.16 arc(28.9,129.16) 28.91,129.17 28.92,129.19 arc(28.92,129.2) 28.92,129.21 28.92,129.26 arc(28.93,129.3) 28.95,129.32 RGB44.2 ; 10.73,129.81 arc(10.64,129.78) 10.59,129.71 arc(10.61,129.81) 10.61,129.91 ; 10.73,129.81 arc(10.65,129.84) 10.61,129.91 ; 10.58,120.72 10.06,121.87 arc(10.01,122) 10,122.15 ; C30.1 7.43,122.82 arc(7.87,122.67) 8.33,122.56 ; 10.29,136.44 arc(9.94,136.8) 9.46,136.93 ; 10,122.15 arc(9.95,122.26) 9.85,122.32